# KiCad board Ultrasonic Sound Steering - Control Rev. B.kicad_pcb (continued)
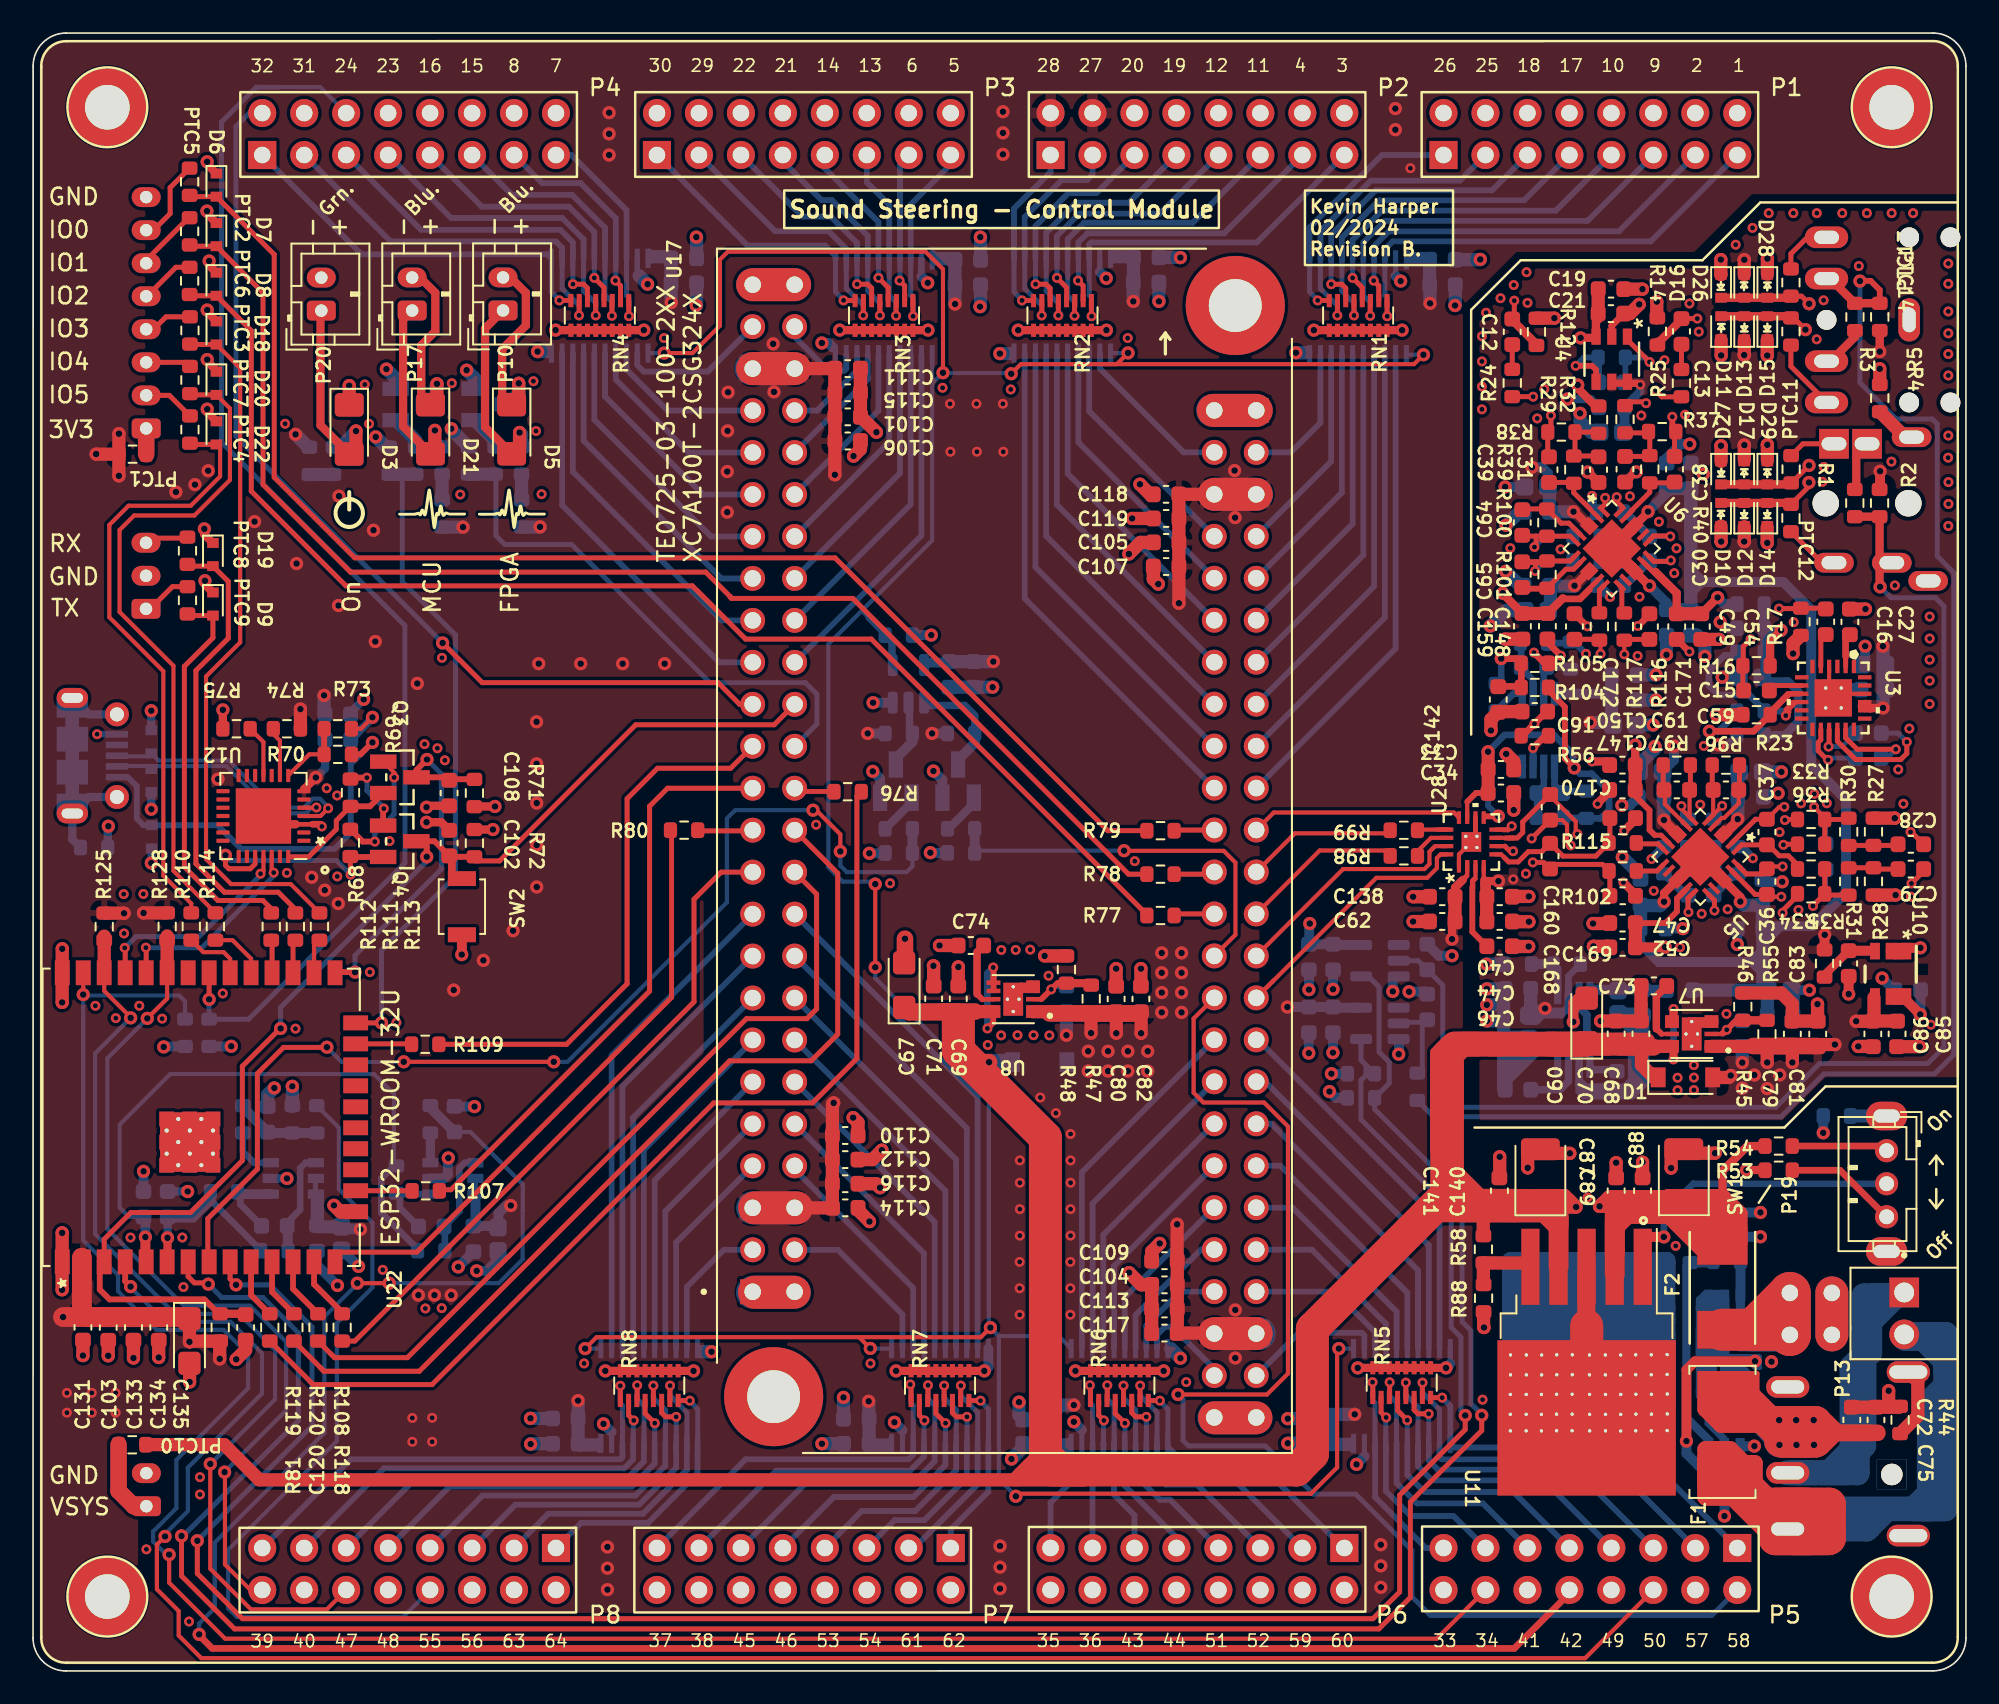
[diagram p0: board, top side]
## Routing (per net, layer and track width the routed paths; a pad name or vN(x,y) marks a point on that pad's centre or on a via; arc(x,y) is an arc through that point) (continued)
  Top w1: v1(52.78,44.32) 52.78,42.86 ; 94.15,40.83 94.04,40.93
  Top w2: 71.44,76.3 U17.1_2 ; 94.04,20.88 94.04,14.62 ; 71.52,15.32 74.02,15.32 ; P16.4 P16.3 ; U17.49_1 U17.50_1 ; 43.67,22.92 46.07,22.92
  Bottom w0.2: 93.46,35.76 93.46,35.05 ; 50.65,49.49 v1(50.62,49.49) ; 55.26,52.64 Q8.2 ; 94.35,34.69 93.83,34.69 93.46,35.06 ; 94.18,35.31 93.58,35.91 ; 51.53,52.6 Q7.2 ; 54.33,49.52 v1(54.31,49.53)
  Bottom w0.25: 97.37,39.77 C154.2 ; 11.99,37.8 v1(12,37.81) ; 109.45,58.3 NOREF#16.39_16 ; 94.77,70.14 R42.1 94.49,70.29 ; 7.94,37.8 v1(7.91,37.77) ; 104.82,47.77 C41.2 ; 28.17,24.92 28.17,25.42 ; 106.43,39.79 C158.2 ; v1(57.58,18.16) 57.82,18.41 ; 48.57,80.01 U16.10 ; 54.85,53.06 Q8.2 ; 18.73,25.46 18.72,25.46 ; 101.74,27.74 101.74,27.81 ; C18.2 110.89,61.11 ; v2(3.88,56.7) P18.5 ; 82.69,84.13 v1(82.78,84.13)
  Bottom w0.3: 25.32,75.14 v1(25.32,75.2) ; 36.59,84.56 36.59,85.6 ; 64.57,84.69 64.57,85.49 ; 36.57,85.72 36.57,84.68 36.56,84.67 ; 103.97,49.19 v2(104.1,49.19) ; 36.57,84.53 36.57,85.57 ; 82.47,84.44 U14.19 ; 35.02,14.47 35.02,13.71 ; 85.78,18.6 85.78,19.63
  Bottom w0.4: U24.6 93.58,37.62 ; v2(95.46,65.01) 95.45,65 95.45,64.94 ; 94.49,70.29 94.37,70.41 ; 90.31,36.92 90.31,36.86 ; 94.73,65.72 94.67,65.72 ; 94.77,70.14 94.77,70.08 ; 53.77,84.41 53.77,85.48 ; P18.5 v2(3.88,56.7)
  Bottom w0.45: 55.21,52.59 55.23,52.61 ; 93.58,35.42 U24.6
  Bottom w0.5: 19.11,56.37 19.24,56.37 20.54,57.68 v1(20.54,57.73) ; 7.17,48.85 7.18,48.86 7.18,49.83 ; C48.2 104.95,53.13 v1(105.63,53.13) ; 7.16,53.26 v1(7.16,52.16) ; R41.1 103.39,49.9 104.07,49.22 104.07,49.21 ; v1(9.36,29.02) C17.1 ; v1(20.01,58.81) 19.11,57.9 19.04,57.9 ; 7.12,58.16 v1(7.16,58.12) D24.1 ; v1(4.56,51.13) 4.52,51.1 R67.1 ; C23.2 94.27,76.99 v1(92.87,76.99) ; 14.62,29.81 v1(15.37,29.81) ; v2(97.96,49.15) R43.1
  Bottom w0.6: v1(89.1,71.67) C149.2 ; 82.68,38.25 82.68,37.35 v1(82.66,37.34) ; v1(82.3,41.13) 82.3,41.97 ; 28.17,24.92 27.46,24.22 v1(26.85,24.22) ; Q7.2 51.27,54.01 v1(50.83,54.45) ; U9.6 104.19,13.61 v1(104.19,13.61) ; v1(52.14,15.05) 52.63,14.56 ; v1(96.17,52.4) 96.65,52.4 C143.2 ; 94.26,34.94 93.66,35.54 ; C45.2 103.15,43.98 v1(103.16,43.97) ; v1(64.96,84.3) 64.57,84.69 ; 88.96,38.39 88.96,36.17 ; v1(105.87,47.77) 105.87,47.77 104.82,47.77 ; v1(99.86,44.93) C43.2 ; 94.37,70.41 v2(94.37,71.13) ; 89.83,37.04 89.22,37.04 ; 57.82,18.41 U15.10 ; v1(54.37,62.7) R123.2 ; 78.69,42.44 v1(78.69,41.26) ; 90.4,37.38 89.79,37.38 ; 48.15,80.38 v1(47.75,80.38) 48.14,80.38 ; 48.15,80.38 48.42,80.11 ; 48.15,80.38 48.38,80.15 ; 110.89,61.11 v1(110.89,62.03) ; v1(34.53,14.96) 35.02,14.47 ; 89.25,35.69 89.25,35.08 ; v1(100.28,74.26) 99.73,74.26 98.88,73.41 C66.2 ; v1(26.72,34.16) 25.47,34.16 ; v1(102.12,63.49) 102.49,63.12 R18.2 ; 90.31,36.92 91.05,37.66 91.05,37.71 91.14,37.8 93.41,37.8 93.58,37.62 ; v1(54.15,84.03) 53.77,84.41 ; v1(19.7,24.49) 18.73,25.46 ; v1(82.78,84.13) 82.47,84.44 ; 95.45,65.01 94.74,65.72 94.67,65.72 ; C144.2 101.01,72.45 v1(101.1,72.45) ; v1(104.56,26.28) C78.2 ; 88.96,37.8 91.18,37.8 ; v1(18.43,23.33) 17.18,24.58 17.18,25.42 ; R124.2 11.99,37.8 ; v1(78.47,35.07) 78.85,34.69 R132.2 ; v1(25.73,24.46) C9.2 ; v1(102.38,9.37) U9.2 ; v1(25.14,31.05) 25.11,31.03 25.11,30.06 24.87,29.81 U1.2 ; 101.83,27.75 v1(104.56,27.75) ; C163.1 85.09,43.29 v1(85.89,43.29) ; 90.31,36.86 89.78,37.39 89.17,37.39 ; v1(107.52,41.21) C156.1 ; 90.02,38.15 89.41,38.15 ; 89.15,38.46 90.35,38.46 C92.2 ; C90.1 112.65,41.21 v1(111.92,41.94) ; 51.67,49.49 50.65,49.49 ; v1(50.85,58.61) U25.3 ; v1(6.69,30.24) C14.1 ; v1(80.11,12.5) 80.6,12.99 ; v1(85.52,18.34) 85.78,18.6 ; 57.82,18.4 57.59,18.16 v1(57.58,18.16) ; R85.2 54.33,49.52 ; C162.2 84.23,41.12 83.3,41.12 v1(83.29,41.11) ; R127.2 7.94,37.8 ; 93.71,35.49 94.31,34.89 96.76,34.89 97.55,35.67 ; v1(78.68,37.43) 78.68,38.64 ; 91.68,37.8 89.46,37.8 ; R131.2 v1(78.59,36.15) ; 88.96,37.56 88.96,35.34 ; 90.05,38.42 89.44,38.42 ; Q8.2 55.04,53.93 v1(54.5,54.47) ; 90.02,38.33 89.41,38.33 ; v1(63,15.08) 63.49,14.59 ; v1(108.36,32.57) R126.2 ; 77.23,42.44 v1(77.23,41.24) ; 89.01,38.3 89.01,36.08 ; v1(77.22,37.4) 77.22,38.64
  Bottom w0.8: 97.37,39.77 C153.1 96.93,38.77 96.93,35.69 96.39,35.15 ; C35.2 97.3,48.16 v1(96.2,49.26) ; v1(89.14,66.56) 90.01,65.69 90.24,65.69 ; C121.1 59.9,13.51 v1(59.22,12.83) ; 31.13,79.86 v1(30.54,79.86) ; v1(59.68,16.27) 59.68,15.48 59.9,15.25 ; 40.47,19.32 v1(41.07,19.32) ; v1(21.39,78.8) 21.95,78.24 Q2.2 ; 94.3,35.16 96.9,35.16 97.45,35.71 C154.2 ; v1(14.6,35.29) 14.2,34.89 14.2,34.22 ; C100.1 87.58,85.42 v1(87.6,85.44) ; C129.1 30.12,15.28 v1(30.11,15.29) ; C95.1 69.44,85.56 v1(69.45,85.55) ; 91.05,37.71 89.1,35.77 C151.2 ; C139.2 100.73,62.69 101.19,62.23 v1(101.19,61.42) ; 93.78,35.16 96.38,35.16 ; 59.11,79.74 v1(58.52,79.74) ; 36.68,84.46 v1(37.2,83.94) ; 106.53,39.89 106.53,41.12 C156.1 ; v1(40.15,86.79) 40.16,86.78 C126.1 ; v1(75.95,15.27) 76.99,15.27 ; 40.16,83.99 40.16,82.69 v1(40.14,82.66) ; v1(69.45,18.93) 68.88,19.5 68.86,19.5 ; v1(20.74,74.7) 21.35,74.09 R66.2 ; v1(87.99,40.32) 89,40.32 ; C151.2 89.1,36.2 89.77,36.86 ; C151.2 89.01,35.28 89.01,41.2 C136.2 v1(87.99,41.29) ; 89.04,42.79 87.98,42.79 v1(87.98,42.78) ; v1(26.24,78.74) 26.72,78.26 Q1.2 ; 97.05,58.76 98.22,58.76 ; v1(87.99,39.34) 89,39.34 ; 97.05,60.29 98.23,60.29 ; C2.1 v1(68.15,82.9) ; v1(89.62,52.11) C34.1 ; NOREF#33.39_15 109.54,59.4 C20.2 ; v1(88.21,63.25) 89.14,64.18 C53.2 ; v1(89.16,69.35) 89.97,70.16 C50.2 ; C99.1 57.35,86.78 v1(57.34,86.79) ; v1(15.69,35.39) 15.69,34.17 ; 89.99,54.78 89.9,54.78 v1(89.17,55.51) ; 97.16,54.4 C145.2 97.21,54.86 98.18,55.83 v1(98.18,55.96) ; v1(102.24,60.15) C6.2 ; C97.1 86.08,82.67 v1(86.07,82.65) ; C26.2 94.31,74.98 93.64,75.65 v1(93.64,76.13) ; R62.2 25.32,75.14 ; v1(49.05,16.56) C1.1 ; 98.86,62.7 98.86,61.52 ; v1(105.83,54.42) C51.2 ; C125.1 30.14,13.75 v1(30.12,13.73) ; v1(98.07,57.26) 97.26,57.26 ; 97.38,38.7 96.38,39.7 ; C96.1 57.35,82.61 v1(57.32,82.58) ; v1(58.08,59.55) C128.2 ; v1(75.95,13.78) C122.1 ; 77.03,79.79 v1(76.44,79.79) ; C94.1 v1(47.75,13.75)
  Bottom w1: 94.38,19.77 89.44,19.77 98.72,19.77 ; 91.45,18.64 90.96,19.13 NOREF#47.39_15 90.39,15.58 90.2,15.39 ; 91.45,18.64 90.73,17.92 NOREF#36.39_16 ; 91.45,18.64 92.17,17.92 ; 89.42,19 89.42,23.58 ; 98.7,23.72 98.9,23.52 ; 89.45,16.57 89.45,20.32 ; 89.46,19.8 89.52,19.74 98.86,19.74 ; 89.43,21.04 98.71,21.04 ; 98.91,22.24 89.45,22.24 ; 89.43,22.21 94.37,22.21 ; 89.44,23.32 94.38,23.32 ; 89.44,22.44 94.38,22.44 ; 92.05,15.54 97.3,15.54 ; 92.05,15.54 91.82,15.77 91.45,15.39 ; 92.05,15.54 94.6,15.54 ; 92.05,15.54 91.61,15.1 91.61,14.55 ; 97.3,15.54 98.29,14.55 NOREF#34.39_15 ; 97.3,15.54 NOREF#51.39_16 ; 93.34,16.75 92.17,17.92 ; 93.34,16.75 94.07,17.47 96.03,17.47 ; 93.34,16.75 94.55,16.75 ; 92.17,17.92 NOREF#36.39_16 ; 92.17,17.92 97.94,17.92 ; 90.2,15.39 91.45,15.39 ; 90.2,15.39 93.93,19.13 NOREF#63.39_15 ; 91.45,15.39 91.31,15.53 NOREF#2.39_16 ; 98.91,24.62 98.91,23.42 ; NOREF#44.39_15 94.55,16.75 ; 94.55,16.75 94.36,16.75 NOREF.39_16 ; 95.79,16.74 92.11,16.74 ; 95.79,16.74 94.6,15.54 ; 95.79,16.74 NOREF#53.39_15 ; 92.11,16.74 91.58,16.74 NOREF#36.39_16 ; 92.11,16.74 93.3,15.54 94.6,15.54 ; 89.43,23.68 89.43,22.47 ; 89.42,18.26 89.42,22.84 ; NOREF#12.39_15 89.42,19.12 NOREF#23.39_16 98.89,14.53 NOREF#34.39_15 ; NOREF#12.39_15 94.37,19.13 96.03,17.47 ; NOREF#12.39_15 NOREF#20.39_16 ; NOREF#12.39_15 89.45,19.15 NOREF#15.39_15 NOREF#34.39_15 ; NOREF#12.39_15 98.71,19.13 98.91,18.93 NOREF#34.39_15 ; NOREF#12.39_15 89.43,14.66 89.45,14.64 ; 97.4,16.1 NOREF#51.39_16 ; 97.4,16.1 96.03,17.47 ; 97.4,16.1 95.15,16.1 94.6,15.54 ; NOREF#51.39_16 97.96,15.5 NOREF#34.39_15 ; NOREF#51.39_16 98.2,15.78 98.2,18.39 97.95,18.64 92.45,18.64 92.23,18.42 NOREF#28.39_16 ; NOREF#34.39_15 91.61,14.55 ; 89.42,22.84 94.36,22.84 ; 89.42,23.72 94.36,23.72 ; 89.44,22.39 94.38,22.39 ; 89.43,21.28 98.71,21.28 ; 94.6,15.54 94.22,15.92 NOREF#58.39_15 96.75,16.74 97.94,17.92 ; 89.43,23.95 94.37,23.95 ; 89.42,22.55 94.36,22.55 ; 98.9,23.18 89.44,23.18 ; 98.91,23.69 89.45,23.69 ; 91.61,14.55 89.54,14.55 89.45,14.64 ; 97.94,17.92 NOREF#7.39_16 ; 98.7,22.11 98.9,21.91 ; 98.9,20.56 89.44,20.56 ; 98.89,17.61 98.91,17.63 98.91,22.01 98.71,22.21 ; 89.43,19.85 89.43,21.06 89.43,16.59 ; 98.91,21.07 89.45,21.07 ; 98.9,22.58 89.44,22.58 ; 98.71,24.83 98.91,24.63 ; 98.71,20.6 98.91,20.4 98.91,16.02 98.89,16 ; 98.71,23.22 98.91,23.02 ; 89.45,14.64 89.45,18.39 ; 89.45,24.86 98.91,24.86 98.91,24.74 98.91,24.73 98.91,23.53 ; 89.42,24.85 89.42,23.65 ; 89.43,24.8 89.43,23.6 ; 89.42,20.53 98.7,20.53 ; 89.42,24.58 89.42,23.38 ; 98.91,23.98 89.45,23.98 ; 98.9,22.87 89.44,22.87 ; 89.43,24.85 89.43,23.65 ; 89.42,16.46 89.42,21.05 ; 89.43,23.66 94.37,23.66 ; 98.91,21.36 89.45,21.36 ; 98.9,23.74 98.9,19.14 ; 89.43,24.83 94.37,24.83 ; 98.9,23.75 89.44,23.75 ; 98.89,22.07 89.43,22.07 ; 89.43,21.33 98.71,21.33
  Bottom w2: 46.09,22.92 43.55,22.92 ; U17.1_2 71.4,76.3 ; 46.09,83.92 43.55,83.92 ; P16.4 P16.3 ; 74.02,15.32 71.48,15.32
  vias: v1(7.16,48.9) v1(10.37,69.13) v1(25.95,43.36) v1(98.24,60.3) v1(98.24,58.78) v1(98.87,61.51) v1(104.97,68.28) v1(105.23,18.72) v2(3.77,40.26) v2(5.01,39.52) v2(5.49,47.02) v2(5.51,44.64) v2(5.9,26.24) v2(6.43,40.26) v2(6.68,47.03) v2(6.86,7.36) v2(7.82,39.49) v2(9.04,26.24) v2(9.1,23.24) v2(9.44,2.99) v2(10.1,11.73) v2(10.1,10.68) v2(11.48,41.01) v2(15.26,75.5) v2(15.36,48.31) v2(15.88,38.88) v2(17.77,53.43) v2(18.41,52.99) v2(18.42,48.09) v2(20.08,77.87) v2(20.34,75.49) v2(20.39,42.3) v2(21.17,24.28) v2(21.58,50.23) v2(21.99,39.25) v2(23.7,56.1) v2(23.75,21.94) v2(24.48,55.85) v2(24.75,61.33) v2(24.73,21.96) v2(24.93,55.12) v2(25.35,77.95) v2(25.86,71.21) v2(30.29,78.07) v2(30.44,75.05) v2(30.78,71.23) v2(33.36,18.62) v2(38.2,80.68) v2(47.4,51.22) v2(50.69,18.61) v2(51.88,47.68) v2(55.05,77.67) v2(57.79,37.89) v2(58.61,43.64) v2(58.6,38.47) v2(59.18,77.57) v2(59.48,43.64) v2(59.59,38.48) v2(60.36,43.66) v2(60.56,38.48) v2(61.47,42.08) v2(61.52,38.47) v2(66.26,80.68) v2(66.69,49.02) v2(69.8,17.48) v2(87.7,80.79) v2(87.7,79.27) v2(87.7,77.74) v2(87.7,76.37) v2(87.74,16.42) v2(87.95,82.22) v2(88.82,83.09) v2(89.42,67.96) v2(89.62,83.89) v2(90.4,84.67) v2(90.36,48.26) v2(90.46,82.81) v2(91.05,75.82) v2(91.47,77.59) v2(92.46,67.89) v2(94.09,28.65) v2(94.36,55.05) v2(96.66,71.1) v2(97.12,61.44) v2(97.24,65.02) v2(97.34,75.99) v2(98.1,47.22) v2(98.41,69.56) v2(98.75,79.34) v2(99.34,66.45) v2(99.48,67.95) v2(99.42,25.73) v2(99.54,35.91) v2(99.54,35.15) v2(99.69,43.8) v2(100,76.04) v2(100.26,82.77) v2(100.53,36.67) v2(100.53,35.92) v2(100.53,35.16) v2(100.82,81.07) v2(100.91,52.44) v2(101,45.84) v2(101.13,55.99) v2(102.5,39.78) v2(102.57,46.11) v2(103.06,86.33) v2(104.08,87.35) v2(105.06,88.24) v2(105.72,50.78) v2(106.55,88.24) v2(106.57,63.48) v2(106.86,46.07) v2(107.02,52.52) v2(107.82,53.09) v2(107.97,88.24) v2(107.96,80.61) v2(108.38,82.97) v2(108.4,72.88) v2(108.32,71.98) v2(108.57,52.52) v2(109.51,88.24) v2(110.51,85.04) v2(111,88.24) v2(112.5,88.24) v2(112.49,73.2) v2(112.69,65.71) v2(112.9,54.57) v2(113.21,52.49) v2(113.57,57.04) v2(113.66,46.87) v2(113.8,88.24) v2(114.8,63.82) v2(114.8,62.49) v2(114.8,61.21) v2(114.8,59.94) v2(114.8,58.53) v2(114.87,39.12) v2(115.92,73.44) v2(115.93,85.19) v2(115.93,83.97) v2(115.93,82.29) v2(115.93,80.97) v2(115.93,79.72) v2(115.93,78.42) v2(115.93,74.78) v2(115.94,71.96) v2(115.94,70.64) v2(115.93,69.31)
VBUS: length 25.2
  Top w0.35: v1(20.54,56.21) 19.82,55.48 R70.2
  Bottom w0.25: P18.1 5.74,54.1
  Bottom w0.35: 11.17,51.19 11.25,51.11 ; v1(20.54,56.21) 19.23,54.89 19.23,50.75 18.25,49.76 12.6,49.76 11.17,51.19 D23.2 6.68,51.19 6.28,51.59 6.28,53.56 5.74,54.1
+VSW: length 48.9
  Bottom w0.25: P8.8 22.39,3.26 12.34,3.26 11.81,3.79 11.81,7.33 18.39,13.91 18.39,21.05 20.54,23.21 20.54,27.13 18.51,29.16 18.51,32.88 R6.1
  Bottom w0.8: P8.8 23.79,4.66
-VSW: length 122.3
  Top w0.2: 96.26,68.47 96.92,69.13 ; 102.16,47.85 101.5,48.51 ; 102.36,48.01 101.7,48.67 ; 100.1,48.85 99.44,48.19 ; 96.36,67.38 97.02,66.73 ; 96.45,67.44 97.11,66.79 ; 100.17,48.7 99.51,48.04 ; 96.69,66.56 96.03,67.22 ; 96.12,68.72 96.78,69.38 ; 101.68,48.91 102.34,48.25 ; 100.52,48.48 99.86,47.82 ; 96.69,69.46 96.03,68.81 ; 101.22,48.57 101.88,47.91 ; 96.61,66.5 95.95,67.16 ; 96.36,68.35 97.02,69.01 ; 100.43,48.6 99.77,47.94
  Top w0.25: 102.32,47.87 102.32,47.87 U5.25 99.62,47.98 99.62,47.98 ; 96.81,66.83 96.67,66.83 U6.25 96.83,69.21 ; v1(97.84,65.69) 97.82,65.69 ; v1(97.75,70.18) 97.75,70.14
  Top w0.35: 99.65,48.17 99.8,48.02 ; 96.67,69.2 96.82,69.05 ; 96.81,66.83 96.67,66.68 ; 102.18,48.18 102.04,48.03
  Top w0.5: v1(103.34,46.57) 103.34,46.85 102.32,47.87 ; 97.82,65.69 96.97,66.54 ; 99.62,47.98 98.72,47.08 v1(98.72,46.56) ; 97.75,70.14 96.83,69.21 96.82,69.21 ; 97.67,65.84 96.81,66.7
  Bottom w0.25: 97.61,70.04 v1(97.75,70.18) ; C45.1 104.7,44.93 104.68,44.95 ; 104.91,41.31 104.91,43.63 ; 104.91,41.31 C156.2 104.97,41.18 ; 104.91,41.31 104.91,43.04 104.87,43.08 ; 100.44,41.21 L1.2 ; C144.1 100.23,71.46 ; 97.3,44.96 97.32,44.93 ; 100.38,70.21 100.34,70.21
  Bottom w0.4: 104.87,43.08 104.77,42.98 ; 100.34,67.15 C144.1 ; 104.91,43.63 104.91,44.95 ; 104.86,45.08 C45.1
  Bottom w0.6: C63.1 98.88,64.65 97.84,65.69 v1(97.84,65.69) ; C139.1 100.34,65.25 101,65.91 105.95,65.91 107.63,64.23 107.63,54.86 109.74,52.75 109.74,47.12 107.7,45.08 104.86,45.08 ; C66.1 98.88,71.3 v1(97.75,70.18) ; C43.1 97.27,44.06 98.42,42.91 104.31,42.91 104.81,43.41 104.81,43.66 ; 104.79,42.3 104.13,42.96 ; 105.7,45.04 105.04,44.38 ; 104.54,43.14 104.27,42.87 ; 100.91,65.83 100.25,66.49 ; 105.49,44.83 104.83,44.17 ; 104.68,43.58 104.02,42.92 ; 101.05,65.95 100.39,66.61 ; 104.78,42.2 104.12,42.86 ; 100.95,65.86 100.29,66.52
  Bottom w0.8: C158.1 104.97,41.18 ; C63.1 C139.1 C144.1 ; C66.1 C144.1 ; C144.1 100.34,70.21 ; C45.1 104.71,44.92 104.71,41.51 104.91,41.31 ; 104.68,44.95 104.68,46.36 103.55,46.36 v1(103.34,46.57) ; v1(98.72,46.56) 98.49,46.32 97.35,46.32 C35.1 97.3,44.96 ; C156.2 100.44,41.21
/Digital/D+: length 16.6
  Top w0.25: U12.4 17.4,51.75 v2(17.86,52.22)
  Bottom w0.2: 7.01,55.54 D24.2
  Bottom w0.25: v2(17.86,52.22) 17.86,52.31 17.37,52.8 16.94,52.8 16.39,52.26 14.69,52.26 11.84,55.11 ; P18.3 5.12,55.36 6.98,55.36 D24.2 7.59,55.11 11.84,55.11
/Digital/D-: length 14.5
  Top w0.25: v2(17.15,52.27) 17.14,52.25 U12.5
  Bottom w0.2: 7.04,54.48 D25.2
  Bottom w0.25: v2(17.15,52.27) 16.88,52.27 16.53,51.92 14.55,51.92 11.7,54.77 ; 11.7,54.77 7.33,54.77 D25.2 6.98,54.78 5.11,54.78 P18.2
adc_CS~: length 12.9
  Top w0.25: 74.14,50.9 U17.21_2 75.1,51.96 86,51.96 86.3,51.66 ; 86.29,51.65 U28.12
adc_SCK: length 17.6
  Top w0.25: U17.29_2 75.12,41.82 ; U17.29_2 74.04,40.49 ; U17.29_2 81.31,48.01 84.39,48.01 84.97,48.6 84.97,49.21 85.19,49.43 U28.16
  Top w0.35: 74.04,40.49 74.29,40.74
adc_SDI: length 15.6
  Top w0.25: 84.81,49.87 84.52,49.58 84.52,48.85 84.22,48.54 79.29,48.54 U17.27_2 ; U17.27_2 74.04,43.54 ; U17.27_2 74.15,43.39 ; 84.62,49.69 84.86,49.93 U28.15
  Top w0.35: 74.15,43.39 74.3,43.24
adc_SDOA: length 9.5
  Top w0.25: R99.2 81.96,50.7 76.38,50.7 U17.23_2 74.04,48.71
adc_SDOB/~ALRT: length 10.3
  Top w0.25: 74.04,46.27 U17.25_2 77.88,49.66 81.82,49.66 R98.2
ADC_VREF: length 81.5
  Top w0.25: 86.81,52.61 U28.11
  Top w0.35: 88.17,55.69 88.17,53.2 ; 87.99,55.65 87.99,53.16 ; 88.13,55.72 88.13,53.23 ; 88.13,55.76 88.13,53.27 ; 88.07,55.79 88.07,53.3 ; 88.17,55.63 88.17,53.14 ; 88.28,55.41 88.28,52.92 ; 88.28,55.65 88.28,53.16 ; 88.08,55.72 88.08,53.23 ; C34.2 88.07,55.64 v1(88.07,55.64) ; 88.14,55.63 88.14,53.14 ; v1(93.28,54.66) 92.72,55.23 92.72,58.36 91.72,59.35 ; 87.96,55.77 87.96,53.28 ; 87.95,55.67 87.95,53.18 ; 87.9,55.49 87.9,53 ; 88.18,55.77 88.18,53.28 ; 88.13,55.78 88.13,53.29 ; 87.9,55.74 87.9,53.25 ; 88.03,55.63 88.03,53.14 ; 87.99,55.78 87.99,53.29 ; 87.88,55.67 87.88,53.18 ; 88.02,53.14 87.34,53.14 86.81,52.61 ; 88.19,55.64 88.19,53.15 ; 88.04,55.79 88.04,53.3 ; 87.86,55.64 87.86,53.15 ; 88.21,55.6 88.21,53.11
  Bottom w0.25: v1(93.28,54.66) 93.22,54.66 ; 93.94,51.68 R90.1
  Bottom w0.35: v1(88.07,55.64) 88.07,55.65
  Bottom w0.4: R57.2 92.67,51.64 93.9,51.64 93.94,51.68 ; v1(93.28,54.66) 93.63,54.31 94.35,54.31 95.4,53.26 95.4,52.12 94.88,51.61 R90.1 ; 93.22,54.66 93.22,55.5 92.06,56.66 89.07,56.66 88.07,55.65
Artix7_HB: length 32.5
  Bottom w0.3: U17.28_1 47.45,57.32 47.45,59.12 46.75,59.82 40.97,59.82 32.6,68.19 28.55,68.19 28.02,68.72 28.02,72.39 R61.1
  Bottom w0.8: R61.1 R62.1
AUX_OPEN: length 146.8
  Top w0.25: 9.31,25.01 9.31,24.76
  Top w0.3: U22.7 9.39,23.87 9.77,23.49 10.53,23.49 v1(10.61,23.41) ; v1(87.69,15.48) 87.69,14.55 83.37,10.23 83.37,4.45 81.46,2.54 12.2,2.54 8.99,5.75 v1(8.99,8.17)
  Bottom w0.25: U26.4 80.8,42.04
  Bottom w0.3: 81.38,41.49 81.21,41.66 ; 81.23,41.64 81.06,41.81 ; 81.11,41.76 80.94,41.93 ; v1(8.99,8.17) 9.08,8.17 16.06,15.15 16.06,20.46 13.91,22.61 11.41,22.61 v1(10.61,23.41) ; 81.3,41.57 81.47,41.4 81.47,37.47 82.09,36.85 82.09,35.58 R132.1 81.2,34.01 86.5,28.71 86.5,21.13 87.03,20.6 87.03,16.19 87.69,15.53 v1(87.69,15.48)
AUX_OPEN~: length 92.1
  Top w0.35: 111.78,82.94 111.78,83.59 111.22,84.15 110.57,84.15 ; 111.02,82.87 111.78,82.87
  Top w0.5: 108,84.28 108.78,84.28 110.27,82.79 R3.1
  Bottom w0.3: R130.1 84.78,33.54 105.8,33.54 108.4,36.14 115.1,36.14 116.26,37.3 116.26,66.48 115.26,67.48 115.26,75.48 114.96,75.78 112.78,75.78 110.58,77.98 v1(110.58,84.13)
DIGPOT_SCL: length 58
  Top w0.25: v1(10.73,12.53) 10.73,6.19 13.19,3.73 17.78,3.73 P8.12 ; 4.31,42.01 4.31,41.17 5.91,39.57 v1(5.91,39.53)
  Top w0.8: 4.31,44.48 4.31,42.03
  Bottom w0.25: v1(5.91,39.53) 3.76,37.38 3.76,26.45 8.59,21.61 12.47,21.61 14.65,19.43 14.65,16.43 10.75,12.53 v1(10.73,12.53)
DIGPOT_SDA: length 50.7
  Top w0.25: v1(6.92,39.5) 8.12,40.7 8.12,42.01 ; v1(11.59,12.04) 11.62,12.01 11.62,6.44 13.16,4.9 P8.16
  Top w0.8: 8.12,44.49 8.12,42.1
  Bottom w0.25: v1(6.92,39.5) 4.5,37.08 4.5,26.75 9.14,22.11 13.13,22.11 15.32,19.92 15.32,15.77 11.59,12.05 v1(11.59,12.04)
DTR: length 7.7
  Top w0.25: 19.18,52.34 R69.1
  Top w0.3: 15.47,49.28 16.69,49.28 18.35,50.95 18.35,51.48 R69.1
  Top w0.35: Q3.2 20.39,52.34 R69.1
ecm_n: length 11
  Top w0.25: 91.6,49.87 C160.1 91.47,49.74 ; 89.02,49.27 88.86,49.43 U28.5
  Top w0.3: 95.37,50.1 94.59,49.32 92.6,49.32 C160.1 ; C160.1 91.32,49.59 90.51,49.59 89.89,48.97 89.32,48.97 89.02,49.27 ; C160.1 91.39,49.66 ; C170.2 95.44,50.17
ECM_OPEN: length 142.1
  Top w0.3: v1(9.94,7.88) 9.94,5.9 12.68,3.16 81.1,3.16 82.72,4.78 82.72,10.64 86.69,14.61 v1(86.69,15.47) ; v1(12.29,23.37) 11.93,23.73 11.93,25.01
  Bottom w0.25: R131.1 80.38,36.97 U27.4
  Bottom w0.3: v1(9.94,7.88) 9.94,7.89 16.89,14.83 16.89,20.83 14.35,23.37 v1(12.29,23.37) ; v1(86.69,15.47) 86.43,15.73 86.43,20.2 85.84,20.79 85.84,27.92 80.38,33.38 80.38,35.76 80.77,36.15 R131.1 80.38,36.98 80.38,37.86 ; 80.68,36.62 80.68,36.06 ; 80.38,37.68 80.38,38.09 ; 81.19,36.01 80.64,36.01
ECM_OPEN~: length 68.8
  Top w0.25: 110.25,69.89 110.27,69.89
  Top w0.5: v1(111.8,65.62) 111.77,65.65 R1.2 R2.1
  Bottom w0.3: v1(111.8,65.62) 112.46,64.96 115.15,64.96 115.66,64.45 115.66,37.75 114.68,36.77 108.14,36.77 105.49,34.12 85.98,34.12 85.56,34.54 R129.1
ecm_p: length 9.2
  Top w0.25: 89.42,49.6 89.56,49.6 v2(89.59,49.62) ; U28.6 89.09,49.93
  Top w0.3: 95.39,48.42 94.99,48.82 92.1,48.82 C160.2 91.43,48.94 v2(90.78,48.94) ; C169.1 95.44,48.37 ; 89.09,49.93 89.42,49.6
  In1.Cu w0.3: v2(90.78,48.94) 90.27,48.94 v2(89.59,49.62)
EN: length 19.6
  Top w0.35: 97.47,24.44 97.44,24.48
  Top w0.4: 97.99,26.27 97.43,25.72 U11.1
  Top w0.6: 97.45,24.45 U11.1 ; v1(98.71,26.27) 97.99,26.27
  Bottom w0.25: C84.2 100.28,27.77
  Bottom w0.4: 99.52,28.53 98.71,27.71 v1(98.71,26.27) ; 99.52,28.53 100.28,27.77 ; 99.52,28.53 100.49,29.49 112.17,29.49 112.19,29.47
ESP32_HB: length 40.2
  Top w0.3: v1(21.09,39.23) 19.53,39.23
  Bottom w0.3: v1(21.09,39.23) 21.09,43.63 25.58,48.11 25.58,62.71 22.35,65.93 22.35,72.16 22.62,72.44 R65.1
  Bottom w0.8: R65.1 R66.1
ESP32_RXD0: length 12.7
  Top w0.25: v2(14.57,48.32) 14.45,48.44 U12.26
  Top w0.3: 6.85,42.01 6.85,43.76
  Bottom w0.25: 14.45,48.2 v2(14.57,48.32)
  Bottom w0.3: v2(14.57,48.32) 14.57,48.14 10.21,43.78 v2(6.83,43.78)
ESP32_TXD0: length 13
  Top w0.25: v2(13.77,48.26) 13.95,48.43 U12.25
  Top w0.3: 5.58,42.01 5.58,43.74
  Bottom w0.3: v2(5.55,43.77) 5.56,43.77 6.24,44.45 10.05,44.45 13.77,48.17 v2(13.77,48.26) 13.77,48.24
FAN_EN: length 136.1
  Top w0.25: v1(3.04,40.94) U22.37 3.02,42.28 ; v1(8.24,7.04) 8.24,5.34 11.63,1.95 84.96,1.95 P5.14
  Bottom w0.25: R127.1 9.2,40.53 8.84,40.89 3.09,40.89 v1(3.04,40.94) 3.04,26.06 5.15,23.95 5.15,22.98 7.48,20.65 11.54,20.65 13.02,19.16 13.02,17.12 8.68,12.77 8.68,9.86 7.26,8.44 7.26,7.84 8.06,7.04 v1(8.24,7.04)
FAN_PWM: length 78.1
  Top w0.25: U17.30_2 70.25,39.49 70.25,35 70.84,34.41 74.51,34.41 75.96,32.96 75.96,18 74.69,16.73 v1(69.31,16.73)
  Bottom w0.3: v1(69.31,16.73) 69.61,16.43 69.61,13.95 69.94,13.62 74.59,13.62 77.51,10.7 80.06,10.7 83.46,7.3 83.46,4.49 84.59,3.36 101.61,3.36 P5.2
FAN_TACHO: length 123.1
  Top w0.25: P5.6 93.94,0.77 10.19,0.77 8.82,2.14 8.82,3.62 7.5,4.94 7.5,7.65 v1(7.99,8.14)
  Top w0.35: U22.4 5.58,23.59 v1(5.9,23.27)
  Bottom w0.25: v1(7.99,8.14) 7.99,8.29 9.37,9.67 9.37,12.3 13.86,16.79 13.86,19.23 11.95,21.13 8,21.13 5.9,23.23 v1(5.9,23.27)
FPGA_IO0: length 79.2
  Top w0.3: R77.2 67.42,45.78 50.74,62.46 43.13,62.46 39.91,65.68 18.94,65.68 13.21,71.41 13.21,81.13 D8.2 9.55,83.24 PTC6.2
FPGA_IO1: length 80.5
  Top w0.3: PTC2.2 9.55,86.24 D7.2 13.92,83.42 13.92,71.81 19.22,66.51 40.72,66.51 42.2,65.03 42.2,65 42.28,64.92 49.62,64.92 66.31,48.23 R78.2
FPGA_IO2: length 81.8
  Top w0.3: PTC5.2 9.55,89.24 D6.2 14.6,85.74 14.6,72.25 19.47,67.38 48.54,67.38 65.06,50.86 R79.2
FPGA_PWM_BUFF_DIS: length 24
  Top w0.25: U17.28_2 72.78,44.56 72.78,48.93 72.07,49.64 66.05,49.64 v1(66.04,49.65)
  Bottom w0.25: 57.12,49.64 R85.1 57.13,49.65 v1(66.04,49.65)
  Bottom w0.6: R85.1 R86.1
I2S_BCLK: length 55.9
  Top w0.3: R119.2 17.61,18.14 ; U17.24_1 48.71,48.28 48.71,38.54 47.1,36.93 42.17,36.93 23.38,18.14 17.61,18.14 17.39,18.36
I2S_SDA: length 61.3
  Top w0.3: 16.78,17.51 16.96,17.33 ; R118.2 16.96,17.33 24.15,17.33 41.2,34.38 47.18,34.38 49.87,37.07 49.87,52.96 R76.1
I2S_WS: length 48.5
  Top w0.3: 18,19.22 18.26,18.96 22.66,18.96 43.18,39.48 46.84,39.48 47.43,40.07 47.43,47.02 U17.22_1 ; R120.2 18.25,18.96
IO0~: length 21.6
  Top w0.25: 25.01,54.09 C108.1 25.25,53.98
  Top w0.35: 25.01,54.09 Q3.3 23.21,54.54 v1(23.85,55.17) ; U22.25 18.32,42.3 v1(19.49,42.3) ; 26.72,53.98 25.25,53.98
  Bottom w0.3: 24.67,48.49 24.72,48.54 24.72,54.11 24.72,54.11 24.72,54.3 v1(23.85,55.17) ; 24.68,48.5 19.49,43.31 v1(19.49,42.3)
LOAD_SWITCH_EN: length 76.8
  Top w0.3: v1(10.66,40.65) 10.66,42.01
  Bottom w0.25: 14.85,95.87 17.39,95.87 P4.6
  Bottom w0.3: v1(10.66,40.65) R124.1 13.05,39.45 22.51,48.91 22.51,63.27 11.41,74.37 11.41,93.76 13.51,95.87 14.85,95.87
MCU_IO0: length 42.4
  Top w0.25: 17.34,45.89 15.6,47.63 11.99,47.63 10.47,49.15 10.47,60.2 12.54,62.26 12.54,78.85 D18.2
  Top w0.3: PTC3.2 9.52,80.29 D18.2
